# Altium PCB PMSM_Driver_V0.15.PcbDoc (continued)
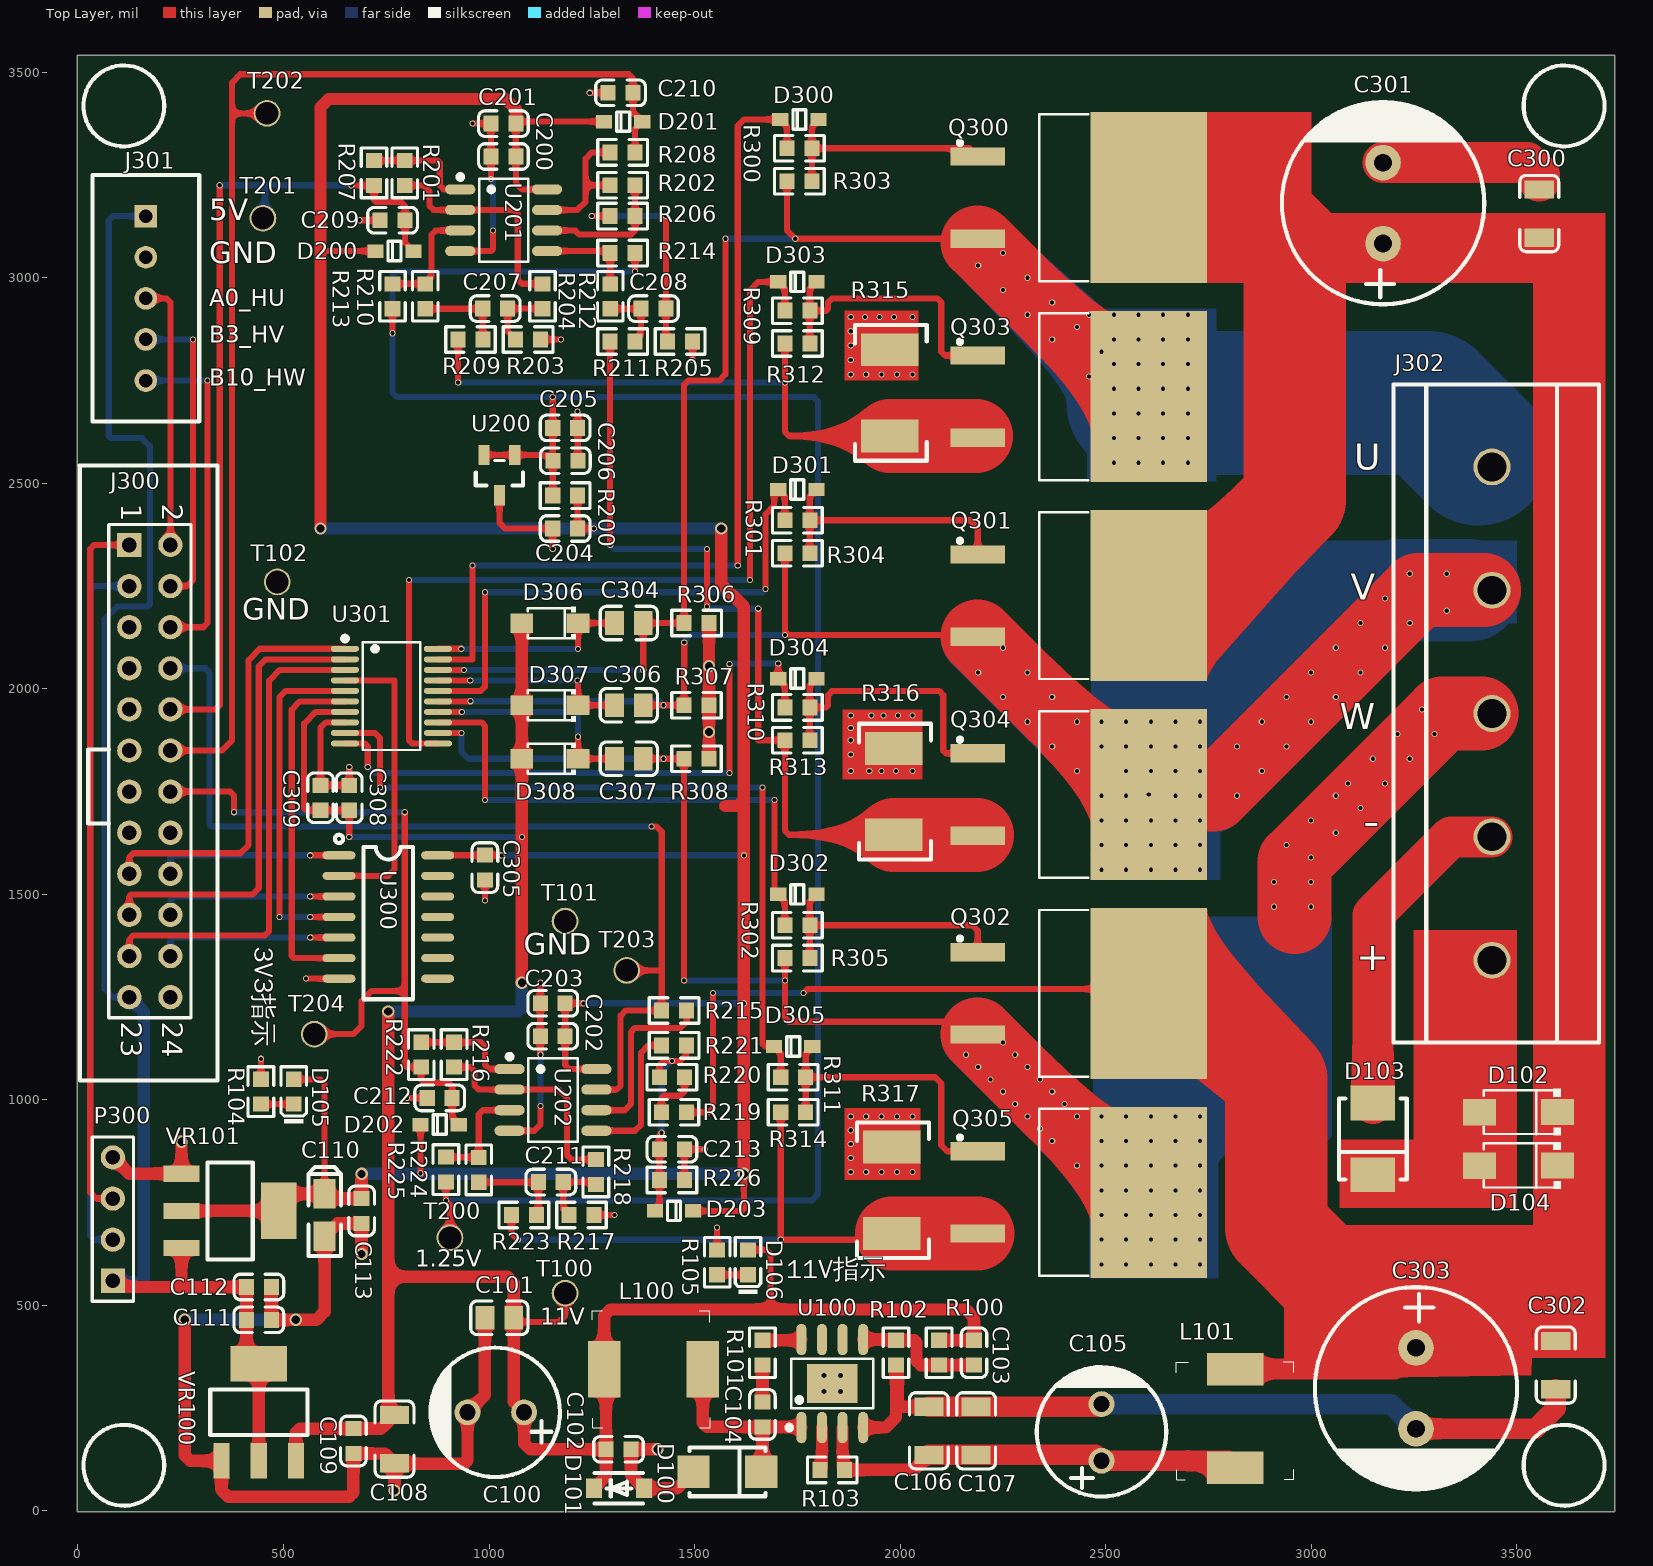
[diagram p0: Top Layer view]
## Footprints (in the part's own frame and the unit in brackets; to place one, negate y for a bottom-side part, rotate by r counter-clockwise, add the part's x,y. Pads: shape width x height; smd on the part's side, far side on the other; paste and mask are expansions set on the pad) (continued)
  silkscreen extent -10,-350 180,50
SS510 [mm]
  rect 2.046x1.62 smd: 1(0,0) 2(4.808,0.019)
  silkscreen extent -0.21,-1.43 4.57,1.45
Testpoint [mil]
  round 65 hole 55: 1(0,0)
TO-263-2 [mil]
  rect 132.23x44.65 smd: 1(-108.89,93) 3(-108.89,-107)
  rect 282.7x416 smd: 4(307.32,-7)
  silkscreen extent -157,-210 160,196
TP2412-SR [mm]
  oval 0.63x1.865 smd: 1(0,0) 2(1.27,0) 3(2.54,0) 4(3.81,0) 5(3.81,5.365) 6(2.54,5.365) 7(1.27,5.365) 8(0,5.365)
  silkscreen extent -0.92,-0.15 4.48,4.2
TSSOP20 [mil]
  oval 14.33x68.58 smd: 1(-67.36,-75.39) 2(-41.77,-75.39) 3(-16.18,-75.39) 4(9.41,-75.39) 5(35,-75.39) 6(60.59,-75.39) 7(86.18,-75.39) 8(111.77,-75.39) 9(137.36,-75.39) 10(162.95,-75.39) 11(162.95,150.67) 12(137.36,150.67) 13(111.77,150.67) 14(86.18,150.67) 15(60.59,150.67) 16(35,150.67) 17(9.41,150.67) 18(-16.18,150.67) 19(-41.77,150.67) 20(-67.36,150.67)
  silkscreen extent -98,-81 179,107

## Part data
C100 C105 C301 C303: library part CapSMT220u_16V
C101: library part "0805 22uF (226) 20% 25V", "贴片电容", Package=0805, SuppliersPartNumber=C45783, ComponentLink1Description=供应商链接, ComponentLink1URL=http://www.szlcsc.com/product/details_46786.html, Supplier=LC
C102 C104 C109 C111 C112 C113 C201 C202 C206 C305 C309: library part "0603 100nF (104) 10% 50V", "贴片电容", Package=0603, SuppliersPartNumber=C14663, ComponentLink1Description=供应商链接, ComponentLink1URL=http://www.szlcsc.com/product/details_15331.html, Supplier=LC
C103: library part "0603 47pF (470) 5% 50V", "贴片电容", Package=0603, SuppliersPartNumber=C1671, ComponentLink1Description=供应商链接, ComponentLink1URL=http://www.szlcsc.com/product/details_2023.html, Supplier=LC
C106 C300 C302: library part "1206 2.2uF (225) 10% 50V", "贴片电容", Package=1206, SuppliersPartNumber=C12656, ComponentLink1Description=供应商链接, ComponentLink1URL=http://www.szlcsc.com/product/details_13292.html, Supplier=LC
C107: library part "1206 100nF (104) 10% 50V", "贴片电容", Package=1206, SuppliersPartNumber=C24497, ComponentLink1Description=供应商链接, ComponentLink1URL=http://www.szlcsc.com/product/details_25237.html, Supplier=LC
C108: library part "1206 10uF (106) 10% 50V", "贴片电容", Package=1206, SuppliersPartNumber=C13585, ComponentLink1Description=供应商链接, ComponentLink1URL=http://www.szlcsc.com/product/details_14236.html, Supplier=LC
C110: library part "3216 10uF (106) 10% 16V", "钽电容", Package=3216, SuppliersPartNumber=C7171, ComponentLink1Description=供应商链接, ComponentLink1URL=http://www.szlcsc.com/product/details_7643.html, Supplier=LC
C200 C203 C204 C205: library part "0603 10uF (106) 10% 10V", "贴片电容", Package=0603, SuppliersPartNumber=C19702, ComponentLink1Description=供应商链接, ComponentLink1URL=http://www.szlcsc.com/product/details_20411.html, Supplier=LC
C207 C208 C211: library part "0603 100pF (101) 5% 50V", "贴片电容", Package=0603, SuppliersPartNumber=C14858, ComponentLink1Description=供应商链接, ComponentLink1URL=http://www.szlcsc.com/product/details_15530.html, Supplier=LC
C209 C210 C212: library part "0603 1nF (102) 10% 50V", "贴片电容", Package=0603, SuppliersPartNumber=C1588, ComponentLink1Description=供应商链接, ComponentLink1URL=http://www.szlcsc.com/product/details_1940.html, Supplier=LC
C213: library part "0603 2.2uF (225) 10% 16V", "贴片电容", Package=0603, SuppliersPartNumber=C23630, ComponentLink1Description=供应商链接, ComponentLink1URL=http://www.szlcsc.com/product/details_24366.html, Supplier=LC
C304 C306 C307: library part "0805 4.7uF (475) 10% 25V", "贴片电容", Package=0805, SuppliersPartNumber=C1779, ComponentLink1Description=供应商链接, ComponentLink1URL=http://www.szlcsc.com/product/details_2131.html, Supplier=LC
C308: library part "0603 4.7uF (475) 10% 16V", "贴片电容", Package=0603, SuppliersPartNumber=C19666, ComponentLink1Description=供应商链接, ComponentLink1URL=http://www.szlcsc.com/product/details_20375.html, Supplier=LC
D100 D306 D307 D308: library part "SMA(DO-214AC) SS54", "二极管", Package=SMA(DO-214AC), SuppliersPartNumber=C22452, ComponentLink1Description=供应商链接, ComponentLink1URL=http://www.szlcsc.com/product/details_23178.html, Supplier=LC
D103: library part "SMB/DO-214AA P6SMB6.8CA", "TVS", Package=SMB/DO-214AA, SuppliersPartNumber=C78395, ComponentLink1Description=供应商链接, ComponentLink1URL=http://www.szlcsc.com/product/details_79530.html, Supplier=LC
D105 D106: library part "0603 绿灯", "发光二极管", Package=0603, SuppliersPartNumber=C72043, ComponentLink1Description=供应商链接, ComponentLink1URL=http://www.szlcsc.com/product/details_73152.html, Supplier=LC
D200 D201 D202 D203 D300 D301 D302 D303 D304 D305: library part "SOD-323 1N4148WS T4", "二极管", Package=SOD-323, SuppliersPartNumber=C2128, ComponentLink1Description=供应商链接, ComponentLink1URL=http://www.szlcsc.com/product/details_2485.html, Supplier=LC
J300: "Header, 12-Pin, Dual row", LatestRevisionDate=17-Jul-2002, LatestRevisionNote="Re-released for DXP Platform.", Publisher="Altium Limited"
L100 L101: library part Inductor
P300: "Header, 4-Pin", LatestRevisionDate=17-Jul-2002, LatestRevisionNote="Re-released for DXP Platform.", Publisher="Altium Limited"
R100: library part "0603 330KΩ (3303) 1%", "贴片电阻", Package=0603, SuppliersPartNumber=C23137, ComponentLink1Description=供应商链接, ComponentLink1URL=http://www.szlcsc.com/product/details_23864.html, Supplier=LC
R101 R300 R301 R302 R309 R310 R311: library part "0603 22Ω (22R0) 1%", "贴片电阻", Package=0603, SuppliersPartNumber=C23345, ComponentLink1Description=供应商链接, ComponentLink1URL=http://www.szlcsc.com/product/details_24078.html, Supplier=LC
R102: library part "0603 15KΩ (1502) 1%", "贴片电阻", Package=0603, SuppliersPartNumber=C22809, ComponentLink1Description=供应商链接, ComponentLink1URL=http://www.szlcsc.com/product/details_23536.html, Supplier=LC
R103: library part "0603 100KΩ (1003) 1%", "贴片电阻", Package=0603, SuppliersPartNumber=C25803, ComponentLink1Description=供应商链接, ComponentLink1URL=http://www.szlcsc.com/product/details_26546.html, Supplier=LC
R104 R105: library part "0603 10KΩ (1002) 1%", "贴片电阻", Package=0603, SuppliersPartNumber=C25804, ComponentLink1Description=供应商链接, ComponentLink1URL=http://www.szlcsc.com/product/details_26547.html, Supplier=LC
R200: library part "0603 220Ω (2200) 1%", "贴片电阻", Package=0603, SuppliersPartNumber=C22962, ComponentLink1Description=供应商链接, ComponentLink1URL=http://www.szlcsc.com/product/details_23689.html, Supplier=LC
R201 R202 R213 R214 R216 R219 R220 R225: library part "0603 12KΩ (1202) 1%", "贴片电阻", Package=0603, SuppliersPartNumber=C22790, ComponentLink1Description=供应商链接, ComponentLink1URL=http://www.szlcsc.com/product/details_23517.html, Supplier=LC
R203 R204 R205 R206 R209 R210 R211 R212 R215 R217 R218 R221 R223 R224 R226: library part "0603 1KΩ (1001) 1%", "贴片电阻", Package=0603, SuppliersPartNumber=C21190, ComponentLink1Description=供应商链接, ComponentLink1URL=http://www.szlcsc.com/product/details_21904.html, Supplier=LC
R207 R208 R222: library part "0603 100Ω (1000) 1%", "贴片电阻", Package=0603, SuppliersPartNumber=C22775, ComponentLink1Description=供应商链接, ComponentLink1URL=http://www.szlcsc.com/product/details_23502.html, Supplier=LC
R303 R304 R305 R312 R313 R314: library part "0603 51KΩ (5102) 1%", "贴片电阻", Package=0603, SuppliersPartNumber=C23196, ComponentLink1Description=供应商链接, ComponentLink1URL=http://www.szlcsc.com/product/details_23923.html, Supplier=LC
R306 R307 R308: library part "0603 20KΩ (2002) 1%", "贴片电阻", Package=0603, SuppliersPartNumber=C4184, ComponentLink1Description=供应商链接, ComponentLink1URL=http://www.szlcsc.com/product/details_4591.html, Supplier=LC
R315 R316 R317: library part Res10K
T100 T101 T102 T200 T201 T202 T203 T204: library part TestPad
U200: library part "CJ431 0.5%431", "电压基准", Package=SOT-23, SuppliersPartNumber=C3113, ComponentLink1Description=供应商链接, ComponentLink1URL=http://www.szlcsc.com/product/details_3500.html, Supplier=LC
U201 U202: library part LM358DR2G, "通用运放", Package=SOIC-8, SuppliersPartNumber=C7950, ComponentLink1Description=供应商链接, ComponentLink1URL=http://www.szlcsc.com/product/details_8427.html, Supplier=LC
U300: library part 74HC14
VR100: library part "SOT-223 AMS1117-5.0", "低压差线性稳压(LDO)", Package=SOT-223, SuppliersPartNumber=C6187, ComponentLink1Description=供应商链接, ComponentLink1URL=http://www.szlcsc.com/product/details_6653.html, Supplier=LC
VR101: library part "SOT-223 AMS1117-3.3", "低压差线性稳压(LDO)", Package=SOT-223, SuppliersPartNumber=C6186, ComponentLink1Description=供应商链接, ComponentLink1URL=http://www.szlcsc.com/product/details_6652.html, Supplier=LC

## Via types
v1: diameter 15, hole 10, Top Layer to Bottom Layer, 297 vias
v2: diameter 30, hole 20, Top Layer to Bottom Layer, 14 vias
v3: diameter 24, hole 12, Top Layer to Bottom Layer, 4 vias

## Nets (pads, with @x,y where several pads share a name; then routed paths per layer and width w, separated by ;. In a path a pad name is that pad's centre, name@x,y a point inside that pad or via, vN(x,y) a via of type N, cw(c..) or ccw(c..) an arc to the next point about the centre after c; other vN are vias at no path point)
3V3DD: C110.1 C113.2 C200.2 C201.2 C202.2 C203.2 C204.2 C305.2 D105.A D200.2 D201.2 D202.2 D203.2 R200.1 U201.8 U202.8 U300.14 VR101.2 | length 8400.9
  Top Layer w15: D105.A@534.84,1050.32 535.16,1050 590,1050 600,1040 C110.1 ; 590,3070 595,3065 D200.2 ; D202.2 v1(833.54,821.46) v1@835,820 ; U300.14 989.68,1595 C305.2 1029.68,1595.32 v1(1030,1595) ; U201.8 1080,3215 1065.32,3229.69 C200.2 C201.2 1070.32,3380 D201.2 ; R200.1 C204.2 v1(1255,2390) ; v1(1230,1235) C203.2 C202.2 1185.32,1084.68 1195,1075 U202.8 ; D203.2 1615,730 1620,735 v2(1620,820)
  Top Layer w30: VR101.2@251.89,730 488.11,730 529.69,771.57 C110.1 611.26,760.32 C113.2 v2(690,820) ; v2(590,2390) 590,3070 590,3415 610,3435 1040.28,3435 1065.32,3409.96 C201.2 ; v2(1565,2390) 1565,2255 1620,2200 1620,1730 ; 1575,1715 1605,1715 1620,1730 ; v2(1620,820) v1(1620,1595) 1620,1730
  Bottom Layer w15: v1(1030,1595) v1(1620,1595) ; v1(1230,1235) v1(1620,1235)
  Bottom Layer w30: v2(590,2390) v1(1255,2390) v2(1565,2390) ; v2(690,820) v2(1620,820)
5VDD: C111.2 C112.2 J300.23 J301.1 P300.1 VR100.2 VR101.3 | length 3854.4
  Top Layer w30: P300.1 100,545 265,545 ; VR101.3 251.89,558.11 265,545 ; VR100.2@440,121.89 440,358.11 409.68,388.43 C111.2 C112.2 265,545
  Bottom Layer w15: J300.23 85,1250 65,1270 65,2170 95,2200 170,2200 175,2205 175,2590 155,2610 80,2610 75,2615 75,3140 85,3150 J301.1
  Bottom Layer w30: P300.1 90,555 150,555 160,565 160,1215 J300.23
11VDD: C100.1 C101.2 C102.2 C103.2 C108.2 C109.2 C308.2 C309.2 D101.1 D106.A D306.2 D307.2 D308.2 L100.2 R100.2 T100.1 U301.7 VR100.3 | length 6282
  Top Layer w15: U301.7 578.82,1943.82 550,1915 550,1710 555,1705 589.68,1705 C309.2 C308.2 v1(660,1640) ; C101.2 1070.04,460 1170,460 1185,475 T100.1 ; D106.A 1674.68,635.32 1685,625 1685,490
  Top Layer w30: VR100.3 530,122.44 530,190 540.32,200.32 C109.2 736.65,200.32 C108.2 755,248.66 755,570 ; v2(755,1215) 755,570 ; v2(1080,1285) D308.2 D307.2 D306.2 ; D101.1 1284.68,84.68 C102.2 ; R100.2 C103.2 2180,470 2160,490 1685,490 1295,490 1280,475 L100.2 1284.68,340.32 C102.2 ; 755,570 1045,570 1060.04,554.96 C101.2 1060.04,265.39 C100.1 1085.4,164.6 1100,150 C102.2
  Bottom Layer w15: v1(660,1640) v1(1080,1640)
  Bottom Layer w30: v2(755,1215) 1070,1215 1080,1225 v2(1080,1285)
75V-PVDC: D102.2 D103.2 D104.2 J302.5
DGND: C100.2 C101.1 C102.1 C105.2 C106.1 C107.1 C108.1 C109.1 C110.2 C111.1 C112.1 C113.1 C200.1 C201.1 C202.1 C203.1 C204.1 C205.1 C206.1 C209.1 C210.1 C212.1 C213.1 C300.2 C301.2 C302.2 C303.2 C305.1 C308.1 C309.1 D100.1 D101.2 D103.1 J300.7 J300.16 J301.2 J302.4 P300.4 R102.1 R104.1 R105.1 R203.1 R205.1 R217.1 R226.1 R306.1 R307.1 R308.1 R315.1 R316.1 R317.1 T101.1 T102.1 U100.4 U200.3 U201.4 U202.4 U300.7 U301.8 VR100.1 VR101.1 | length 8839
  Top Layer w15: R104.1 v1(445,1100) ; v1(555,1295) U300.7 ; U301.8 603.23,1918.23 590,1905 C309.1 C308.1 v1(660,1810) ; v1(685,3140) C209.1 ; v1(800,1005) C212.1 ; U201.4 1005,3065 1010,3070 v1(1010,3115) ; v1(960,3375) C201.1 C200.1 v1(1004.68,3240.31) v1@1005,3240 ; v1(990,1485) C305.1 ; U200.3 1025.31,2404.69 1040,2390 C204.1 v1(1155,2340) ; U202.4 1110,925 1125,940 v1(1125,985) ; v1(1125,1110) 1124.68,1110.32 C202.1 C203.1 1124.68,1284.68 v1(1125,1285) ; R203.1 v1(1175,2850) ; v1@1215,2675 v1(1215.63,2674.37) C205.1 1215.95,2634.68 C206.1 ; v1(1245,3450) C210.1 ; R217.1 v1(1305,720) ; R226.1 C213.1 v1(1525,880) ; v1@1495,2800 v1(1495.31,2800.31) R205.1 ; R105.1 v1(1555,690)
  Top Layer w30: P300.4 124.45,820.55 VR101.1 v2(251.89,898.11) v2@250,900 ; v2(260,465) 260,135 273.11,121.89 VR100.1 349.45,50.55 365,35 660,35 670,45 C109.1 746.65,139.68 C108.1 ; C112.1 C111.1 v2(530,465) 580,465 600,485 C110.2 631.26,699.68 C113.1 v2(690,625) ; v2(770,50) C108.1 ; C101.1 989.96,282.39 C100.2 947.6,122.6 940,115 771.34,115 C108.1 ; v2(1410,150) C102.1 1345.32,86.73 D101.2 1457.32,55 D100.1 ; R308.1 1535.31,1830.31 R306.1 ; U100.4 1965,202.89 1990,227.89 R102.1 1995,349.69 1995,265 2006.34,253.66 C106.1
  Top Layer w50: C106.1 C107.1 2483.66,253.66 C105.2 ; C303.2 3545,200 3595,250 C302.2
  Top Layer w100: D103.1 3150,1450 3340,1640 J302.4 ; C301.2 3525,3280 3555,3250 C300.2@3555,3235
  Bottom Layer w15: v1(1004.68,3240.31) 1010,3235 v1(1010,3115) ; v1(1125,985) v1(1125,1110)
  Bottom Layer w30: v2(260,465) v2(530,465)
  Bottom Layer w50: C105.2 3195,260 C303.2
  other v1: 1880,825 1917.5,825 1955,825 1992.5,825 2030,825 1880,858.75 1880,892.5 1880,926.25 1880,960 1917.5,960 1955,960 1992.5,960 2030,960 1880,1800 1925,1800 1955,1800 1990,1800 2030,1800 1880,1840 1880,1875 1880,1905 1880,1935 1930,1935 1960,1935 1995,1935 2030,1935 1880,2765 1917.5,2765 1955,2765 1992.5,2765 2030,2765 1880,2800 1880,2835 1880,2870 1880,2905 1915,2905 1950,2905 1985,2905 2030,2905
  other v2: 1535,1895 1535,2055
EG-VS1: C304.2 J302.1 Q300.3 Q303.4 R303.1 R306.2 U301.18 | length 4476
  Top Layer w15: U301.18 v1(938.82,2046.18) ; v1(1375,2046.18) C304.2 C304.2 R306.2 1474.68,2739.68 1485,2750 1560,2750 1575,2765 v1(1575,3095) ; R303.1 1724.69,3115.31 v1(1745,3095) Q300.3
  Top Layer w180: Q300.3@2188.8,3086.2 2564,2711 Q303.4
  Bottom Layer w15: v1(938.82,2046.18) v1(1375,2046.18) ; v1(1575,3095) v1(1745,3095)
  Bottom Layer w180: 2204.8,3070.2 2580,2695
  Bottom Layer w350: 2580,2695 3285,2695 3407.5,2572.5
  other v1: 2520,2550 2580,2550 2640,2550 2700,2550 2520,2610 2580,2610 2640,2610 2700,2610 2520,2670 2580,2670 2640,2670 2700,2670 2520,2730 2580,2730 2640,2730 2700,2730 2460,2760 2520,2790 2580,2790 2640,2790 2700,2790 2490,2820 2370,2850 2520,2850 2580,2850 2640,2850 2700,2850 2430,2880 2310,2910 2460,2910 2520,2910 2580,2910 2640,2910 2700,2910 2370,2940 2250,2970 2310,3000 2190,3030 2250,3060
EG-VS2: C306.2 J302.2 Q301.3 Q304.4 R304.1 R307.2 U301.15 | length 5060.6
  Top Layer w15: U301.15 954.41,1969.41 v1(955,1970) ; C306.2 v1(1424.7,1960) R307.2 1474.37,2044.37 1475,2045 v1(1475,2112.63) ; v1(1720,2130.8) 1720,2140 ; Q301.3 2185,2130.8 1729.2,2130.8 1720,2140 ; 1720,2140 1719.69,2140.31 R304.1 1720,2329.69 1720,2140
  Top Layer w180: Q301.3 2572.8,1743 v1(2605,1743) 2763,1743 3260,2240 J302.2@3420,2240
  Bottom Layer w15: v1(955,1970) 1414.7,1970 v1(1424.7,1960) ; v1(1475,2112.63) 1475,2115.8 1490,2130.8 v1(1720,2130.8)
  Bottom Layer w180: 2190.02,2122.98 2574.02,1738.98 2758.98,1738.98
  Bottom Layer w250: 2758.98,1788.98 3210,2240 3385,2240
  other v1: 2490,1560 2550,1560 2610,1560 2670,1560 2730,1560 2490,1620 2550,1620 2610,1620 2670,1620 2730,1620 2490,1680 2550,1680 2610,1680 2670,1680 2730,1680 2490,1740 2550,1740 2670,1740 2730,1740 2820,1740 2430,1800 2550,1800 2610,1800 2670,1800 2730,1800 2880,1800 2370,1860 2490,1860 2550,1860 2610,1860 2670,1860 2730,1860 2820,1860 2940,1860 2310,1920 2430,1920 2490,1920 2550,1920 2610,1920 2670,1920 2730,1920 2880,1920 3000,1920 2250,1980 2370,1980 2940,1980 3060,1980 2190,2040 2310,2040 3000,2040 3120,2040 2250,2100 3060,2100 3180,2100 3120,2160 3240,2160 3330,2190 3180,2220 3240,2280 3330,2280
EG-VS3: C307.2 J302.3 Q302.3 Q305.4 R305.1 R308.2 U301.12 | length 5544.4
  Top Layer w15: U301.12 v1(932.64,1892.64) ; C307.2 v1(1424.7,1830) R308.2 1474.37,1290.63 v1(1474.68,1290.32) v1@1475,1290 ; R305.1 1719.69,1200.31 1730,1190 2157.8,1190 Q302.3
  Top Layer w180: Q302.3 2572.8,775 Q305.4 ; 2960,1445 2960,1580 3320,1940 J302.3@3415,1940
  Bottom Layer w15: v1(932.64,1892.64) 932.64,1847.36 950,1830 v1(1424.7,1830) ; v1(1474.68,1290.32) v1(1719.68,1290.32) v1@1720,1290
  Bottom Layer w180: 2188.8,1159 2572.8,775 2960,1162.2 2960,1580 3320,1940 J302.3@3415,1940
  other v1: 2490,600 2550,600 2610,600 2670,600 2730,600 2490,660 2550,660 2610,660 2670,660 2730,660 2490,720 2550,720 2610,720 2670,720 2730,720 2490,780 2550,780 2610,780 2670,780 2730,780 2430,840 2490,840 2550,840 2610,840 2670,840 2730,840 2370,900 2490,900 2550,900 2610,900 2670,900 2730,900 2340,930 2310,960 2430,960 2490,960 2550,960 2610,960 2670,960 2730,960 2280,990 2400,990 2250,1020 2370,1020 2220,1050 2340,1050 2190,1080 2310,1080 2160,1110 2280,1110 2250,1140 2910,1470 3000,1470 2910,1530 3000,1530 3000,1590 2940,1620 3060,1650 3000,1680 3120,1710 3060,1740 3090,1770 3180,1770 3150,1830 3240,1830 3210,1890 3300,1890 3270,1950
HO1: D300.2 R300.1 U301.19 | length 2214
  Top Layer w15: U301.19 960,2071.77 v1(960,2300) ; v1(1605,2300) 1605,3370 1620,3385 D300.2 1724.69,3368.86 R300.1
  Bottom Layer w15: v1(960,2300) v1(1605,2300)
HO2: D301.2 R301.1 U301.16 | length 1371.8
  Top Layer w15: U301.16 980,1995 990,2005 v1(990,2235) ; v1(1672.68,2242.68) 1672.68,2425.34 1693.5,2446.16 1693.5,2476.16 1702.34,2485 D301.2 1719.69,2468.86 R301.1
  Bottom Layer w15: v1(990,2235) 1665,2235 v1(1672.68,2242.68)
HO3: D302.2 R302.1 U301.13 | length 1317.8
  Top Layer w15: U301.13 981.77,1918.23 990,1910 v1(990,1730) ; v1(1694.69,1730) 1694.69,1508.86 D302.2 1719.69,1483.86 R302.1
  Bottom Layer w15: v1(990,1730) v1(1694.69,1730)
LO1: D303.2 R309.1 U301.11 | length 2152.5
  Top Layer w15: v1(805,2265) 805,1875 812.95,1867.05 U301.11 ; v1(1635,2265) 1635,2970 1655,2990 D303.2 1719.69,2973.86 R309.1
  Bottom Layer w15: v1(805,2265) v1(1635,2265)
LO2: D304.2 R310.1 U301.10 | length 1491.8
  Top Layer w15: U301.10 697.95,1867.05 705,1860 v1(705,1810) ; v1(1585,1795) v1(1585,2060) ; v1(1703.54,2061.46) D304.2 1719.69,2008.86 R310.1
  Bottom Layer w15: v1(705,1810) 720,1795 v1(1585,1795) ; v1(1585,2060) 1586.46,2061.46 v1(1703.54,2061.46)
LO3: D305.2 R311.1 U301.9 | length 1876.9
  Top Layer w15: U301.9 722.36,1892.64 735,1880 v1(735,1760) ; v1(1665,1760) 1665,1136.77 1671.77,1130 D305.2 1709.69,1113.86 R311.1
  Bottom Layer w15: v1(735,1760) v1(1665,1760)
MOTOR_AMP-U: Q303.3 R209.1 R312.1 R315.2 | length 1589.9
  Top Layer w15: R209.1 924.69,2745.31 v1(925,2745) ; R312.1 1719.69,2625.31 1730,2615 R315.2 ; Q303.3@2184.8,2615 Q303.3
  Top Layer w180: R315.2 Q303.3@2184.8,2615
  Bottom Layer w15: v1(925,2745) v1(1720,2745)
MOTOR_AMP-V: Q304.3 R211.1 R313.1 R316.2 | length 2079.9
  Top Layer w15: R211.1 1294.69,2350.31 v1(1295,2350) ; v1(1530,2200) v1(1530,2340) ; v1(1655,2195) 1655,1875 R313.1 1719.69,1655.31 1730,1645 R316.2 ; Q304.3@2186.8,1645 Q304.3
  Top Layer w180: R316.2 Q304.3@2186.8,1645
  Bottom Layer w15: v1(1295,2350) 1305,2340 v1(1530,2340) ; v1(1530,2200) 1535,2195 v1(1655,2195)
MOTOR_AMP-W: Q305.3 R223.1 R314.1 R317.2 | length 1501.7
  Top Layer w15: R223.1 1054.69,675 v1(1069.69,660) ; R314.1 v1(1709.69,660.31) 1710,660 1965,660 R317.2
  Top Layer w180: R317.2 Q305.3
  Bottom Layer w15: v1(1069.69,660) v1@1710,660
NetC103_1: C103.1 R100.1 R102.2 U100.5 | length 322.2
  Top Layer w30: U100.5 1988.21,417.11 R102.2 2034.68,415.32 2040,410 2040,365 2050.31,354.69 R100.1 C103.1
NetC104_1: C104.1 D100.2 L100.1 U100.1 | length 485.7
  Top Layer w30: L100.1 1520,215 1530.32,204.68 C104.1 ; D100.2 1665,97.32 C104.1 ; U100.1 1758.21,204.68 C104.1
NetC104_2: C104.2 R101.1 | length 89.4
  Top Layer w30: C104.2 R101.1
NetC105_1: C105.1 C106.2 C107.2 L101.2 R103.2 U100.3 | length 1082.8
  Top Layer w30: U100.3 1860,105.32 R103.2 2033.66,100 C106.2
  Top Layer w50: C106.2 C107.2 2475.86,136.34 C105.1 2797.8,122.2 L101.2
NetC207_1: C207.1 R209.2 R210.2 | length 215.1
  Top Layer w15: R210.2 984.37,2924.68 C207.1 984.68,2850.63 R209.2
NetC207_2: C207.2 R203.2 R204.2 | length 167.8
  Top Layer w15: R203.2 1045.32,2869.37 C207.2 1129.68,2925 R204.2
NetC208_1: C208.1 R211.2 R212.2 | length 160.8
  Top Layer w15: R212.2 1369.37,2924.68 C208.1 1369.68,2859.37 R211.2
NetC208_2: C208.2 R205.2 R206.2 | length 531.6
  Top Layer w15: v1(1250,3150) R206.2 ; v1(1430,3150) 1430.32,3149.69 C208.2 1430.32,2849.37 R205.2
  Bottom Layer w15: v1(1250,3150) v1(1430,3150)
NetC211_1: C211.1 R223.2 R224.2 | length 227.1
  Top Layer w15: R224.2 1119.68,799.68 C211.1 1120,724.68 R223.2
NetC211_2: C211.2 R217.2 R218.2 | length 167.4
  Top Layer w15: R217.2 1180.63,734.05 C211.2 1254.68,800 R218.2
NetC213_2: C213.2 D203.1 R220.2 R221.2 R226.2 | length 510.6
  Top Layer w15: D203.1 1414.68,741.14 R226.2 C213.2 1414.68,914.68 v1(1420,920) ; R220.2 1414.68,1084.68 1425,1095 v1(1445,1095) 1465,1095 1480.63,1110.63 R221.2
  Bottom Layer w15: v1(1420,920) 1420,1070 v1(1445,1095)
NetD105_K: D105.K R104.2 | length 80
  Top Layer w15: R104.2 D105.K
NetD106_K: D106.K R105.2 | length 75
  Top Layer w15: R105.2 D106.K
NetD300_1: D300.1 Q300.1 R300.2 R303.2 | length 568.5
  Top Layer w15: R303.2 R300.2 ; D300.1 1785.32,3368.86 R300.2 ; Q300.1 2168.8,3315 R300.2
NetD301_1: D301.1 Q301.1 R301.2 R304.2 | length 642.2
  Top Layer w15: R304.2 R301.2 ; D301.1 1780.32,2468.86 R301.2 ; Q301.1 2188.8,2391.2 2170,2410 R301.2
NetD302_1: D302.1 Q302.1 R302.2 R305.2 | length 628.1
  Top Layer w15: R305.2 R302.2 ; D302.1 1780.32,1483.86 R302.2 ; Q302.1 2188.8,1411.2 2175,1425 R302.2
NetD303_1: D303.1 Q303.1 R309.2 R312.2 | length 714.3
  Top Layer w15: R312.2 R309.2 ; D303.1 1780.32,2973.86 R309.2 ; Q303.1 2109,2811 2100,2820 2100,2940 2090,2950 1835,2950 1825,2940 1825,2925 1820,2920 R309.2
NetD304_1: D304.1 Q304.1 R310.2 R313.2 | length 738.4
  Top Layer w15: R313.2 R310.2 ; D304.1 1780.32,2008.86 R310.2 ; Q304.1 2112,1843 2105,1850 2105,1985 2095,1995 1835,1995 1825,1985 1825,1960 1820,1955 R310.2
NetD305_1: D305.1 Q305.1 R311.2 R314.2 | length 747.6
  Top Layer w15: R314.2 R311.2 ; D305.1 1770.32,1113.86 R311.2 ; Q305.1 2115,875 2100,890 2100,1040 2085,1055 R311.2
NetR101_2: R101.2 U100.8 | length 95.7
  Top Layer w30: R101.2 1758.21,415.32 U100.8
NetR103_1: R103.1 U100.2 | length 105.1
  Top Layer w30: R103.1 1810,105.31 U100.2
NetR201_1: R201.1 R207.1 U201.1 | length 271.3
  Top Layer w15: R207.1 R201.1 874.69,3285.31 880,3280 880,3225 890,3215 U201.1
NetR201_2: R201.2 R204.1 U201.2 | length 548.6
  Top Layer w15: R201.2 840.32,3224.68 855,3210 855,3175 865,3165 U201.2 1060,3165 1070,3155 1070,2995 1080,2985 1080.31,2985.31 R204.1
NetR202_1: R202.1 R208.1 U201.7 | length 332.6
  Top Layer w15: U201.7 1215,3165 1235,3185 1235,3225 ; R202.1 1235,3225 ; R208.1 1250,3305 1235,3290 1235,3225
NetR202_2: R202.2 R206.1 U201.6 | length 332.2
  Top Layer w15: U201.6 1210,3115 1220,3105 1345,3105 1355.31,3115.31 R206.1 R202.2
NetR210_1: R210.1 R213.2 U201.3 | length 280
  Top Layer w15: R213.2 R210.1 860,3000.31 860,3105 870,3115 U201.3
NetR212_1: R212.1 R214.2 U201.5 | length 230.4
  Top Layer w15: U201.5 1289.68,3065 R214.2 1295,3059.68 R212.1
NetR215_1: R215.1 U202.6 | length 438.3
  Top Layer w15: U202.6 1330,975 1345,990 1345,1165 1355,1175 1465,1175 1480.63,1190.63 R215.1
NetR216_1: R216.1 R222.1 U202.1 | length 268.4
  Top Layer w15: R222.1 R216.1 979.69,1140.31 990,1130 990,1085 1000,1075 U202.1
NetR216_2: R216.2 R218.1 U202.2 | length 540.4
  Top Layer w15: R216.2 955.32,1079.68 965,1070 965,1035 975,1025 U202.2 1170,1025 1190,1005 1190,865 1199.69,855.31 R218.1
NetR219_2: R219.2 R220.1 | length 131.5
  Top Layer w15: R219.2 1419.68,1004.68 1425,1010 1465,1010 1475.31,1020.31 R220.1
NetR221_1: R221.1 U202.5 | length 347.5
  Top Layer w15: U202.5 1355,925 1370,940 1370,1115.31 1387.34,1132.66 R221.1
NetR224_1: R224.1 R225.2 U202.3 | length 264
  Top Layer w15: R225.2 974.68,860.63 R224.1 975,965 985,975 U202.3
PA0_TIM2_CH1_HU: J300.2 J301.3 | length 654.1
  Top Layer w15: J301.3 215,2950 225,2940 J300.2
PA1_ADC1_IN1_BUS_VOLTAGE: J300.8 R215.2 T203.1 U202.7 | length 2436.5
  Top Layer w15: U202.7 1310,1025 1320,1035 1320,1205 1332.66,1217.66 R215.2 1420,1320 ; T203.1 1415,1315 1420,1320 ; v1(1395,1665) 1407.5,1665 1420,1652.5 1420,1320
  Bottom Layer w15: J300.8 310,2050 320,2040 320,1670 325,1665 v1(1395,1665)
PA5_ADC1_IN5_TEMPERATURE: J300.15
PA7_TIM1_CH1N_UL: J300.18 U300.1 | length 452.1
  Top Layer w15: v1(565,1595) U300.1
  Bottom Layer w15: J300.18 225,1590 230,1595 v1(565,1595)
PA7_TIM1_CH1N_UL-F: U300.2 U301.4 | length 722.2
  Top Layer w15: U300.2 755,1545 770,1560 770,2020.59 U301.4
PA8_TIM1_CH1_UH: J300.17 U301.1 | length 1038.4
  Top Layer w15: J300.17 125,1590 135,1600 395,1600 415,1620 415,2070 442.36,2097.36 U301.1
PA9_TIM1_CH2_VH: J300.19 U301.2 | length 1124.8
  Top Layer w15: J300.19 125,1495 130,1500 425,1500 440,1515 440,2055 456.77,2071.77 U301.2
PA10_TIM1_CH3_WH: J300.21 U301.3 | length 1193.7
  Top Layer w15: J300.21 125,1390 135,1400 455,1400 465,1410 465,2020 491.18,2046.18 U301.3
PB0_TIM1_CH2N_VL: J300.20 U300.3 | length 449.1
  Top Layer w15: v1(565,1495) U300.3
  Bottom Layer w15: J300.20 225,1485 235,1495 v1(565,1495)
PB0_TIM1_CH2N_VL-F: U300.4 U301.5 | length 845.8
  Top Layer w15: v1(490,1445) 490,1980 505,1995 U301.5 ; v1(565,1445) U300.4
  Bottom Layer w15: v1(490,1445) v1(565,1445)
PB1_TIM1_CH3N_WL: J300.22 U300.5 | length 452.1
  Top Layer w15: v1(565,1395) U300.5
  Bottom Layer w15: J300.22 225,1390 230,1395 v1(565,1395)
PB1_TIM1_CH3N_WL-F: U300.6 U301.6 | length 854.4
  Top Layer w15: U300.6 525,1345 520,1350 520,1949.41 540,1969.41 U301.6
PB3_TIM2_CH2_HV: J300.4 J301.4 | length 761.2
  Top Layer w15: J300.4 265,2250 280,2265 v1(280,2850)
  Bottom Layer w15: J301.4 v1(280,2850)
PB10_TIM2_CH3_HW: J300.6 J301.5 | length 834.1
  Top Layer w15: J300.6 305,2150 315,2160 v1(315,2750)
  Bottom Layer w15: J301.5 v1(315,2750)
PC0_ADC1_IN10_CURR_U: C209.2 D200.1 J300.10 R207.2 T201.1 | length 2081.1
  Top Layer w15: J300.10 335,1950 345,1960 v1(345,3225) ; v1(665,3225) 665.32,3224.68 R207.2 720,3190 725,3185 785,3185 795.63,3174.37 C209.2 795.63,3085.83 D200.1
  Bottom Layer w15: v1(345,3225) 455,3225 ; T201.1 455,3150 455,3225 ; v1(665,3225) 455,3225
PC2_ADC1_IN12_CURR_V: C210.2 D201.1 J300.12 R208.2 T202.1 | length 3029.6
  Top Layer w15: J300.12 350,1850 375,1875 375,3400 ; T202.1 375,3400 ; R208.2 1355.32,3362.4 D201.1 1350.32,3402.6 C210.2 1350.32,3484.69 1340,3495 395,3495 375,3475 375,3400
PC3_ADC1_IN13_CURR_W: C212.2 D202.1 J300.14 R222.2 T204.1 | length 1782
  Top Layer w15: J300.14 370,1750 380,1740 v1(380,1700) ; T204.1 670,1160 690,1180 690,1240 715,1265 795,1265 ; v1(795,1700) 795,1265 ; D202.1 910.32,956.14 C212.2 910.32,1033.56 902.09,1041.79 843.21,1041.79 835,1050 R222.2 834.68,1080 800,1080 795,1085 795,1265
  Bottom Layer w15: v1(380,1700) v1(795,1700)
PC6_UART6_TX: J300.1 P300.3 | length 1725.4
  Top Layer w15: P300.3 45,760 30,775 30,2340 40,2350 J300.1
PC7_UART6_RX: J300.3 P300.2 | length 1728.3
  Bottom Layer w15: P300.2 40,660 30,670 30,2240 40,2250 J300.3
POWER: C300.1 C301.1 C302.1 C303.1 D102.1 D104.1 L101.1 Q300.4 Q301.4 Q302.4 R219.1 | length 4411.7
  Top Layer w15: R219.1 1535,970 1545,980 v1(1545,1260) ; v1(1765,1260) 1775,1270 2594,1270 Q302.4
  Top Layer w50: L101.1 3203.15,345 C303.1 3578.19,396.85 C302.1
  Top Layer w250: Q302.4 2706,1259 2915,1050 2915,690 3055,550 ; Q301.4 2727,2227 2960,2460 2960,3070 2840,3190
  Bottom Layer w15: v1(1545,1260) v1(1765,1260)
SD_IN: J300.24
VB-EG2133-U: C304.1 D306.1 U301.20 | length 493
  Top Layer w15: U301.20 v1(932.36,2097.36) ; v1(1216.61,2096.61) D306.1 C304.1
  Bottom Layer w15: v1(932.36,2097.36) 933.12,2096.61 v1(1216.61,2096.61)
VB-EG2133-V: C306.1 D307.1 U301.17 | length 493.3
  Top Layer w15: U301.17 v1(954.41,2020.59) ; v1(1215,2020) 1216.61,2018.39 D307.1 C306.1
  Bottom Layer w15: v1(954.41,2020.59) v1@1220,2020.59
VB-EG2133-W: C307.1 D308.1 U301.14 | length 537
  Top Layer w15: U301.14 v1(933.82,1943.82) ; v1(1216.61,1883.39) D308.1 C307.1
  Bottom Layer w15: v1(933.82,1943.82) 1206.18,1943.82 1216.61,1933.39 v1(1216.61,1883.39)
VCC1.25REF: C205.2 C206.2 R200.2 R213.1 R214.1 R225.1 T200.1 U200.1 U200.2 | length 5417.5
  Top Layer w15: v1(765,2865) R213.1 ; R225.1 v1(895,755) 905,745 T200.1 ; U200.2 U200.1 1149.21,2569.21 1155,2575 ; R200.2 1155,2575 ; v1(1155,2710) C205.2 1155,2575 ; v1@1355,3015 v1(1355.31,3015.31) R214.1
  Bottom Layer w15: v1(895,755) 1785,755 1800,770 1800,2700 1790,2710 v1(1155,2710) 775,2710 765,2720 v1(765,2865) 765,3005 775.31,3015.31 v1(1355.31,3015.31)
pads on no net: J300.5 J300.9 J300.11 J300.13 U100.6 U100.7 U100.9 U300.8 U300.9 U300.10 U300.11 U300.12 U300.13
copper on no net:
  other v3: 1815.32,290.31 1854.69,290.31 1815.32,329.68 1854.69,329.68

## Polygon pours and split planes (outlines as drawn)
DGND on Bottom Layer "DGND_L02_P000" (solid, remove dead copper, pour order 0): 224.49,3473.89 219.34,3314.34 215,3310 50,3310 50,235 65,220 215,220 215,55 220,50 3455,50 3495,90 3495,210 3670,210 3685,225 3685,3310 3665,3330 3415,3330 3415,3465 3405,3475 224.53,3475 223.14,3473.62

## Other copper
Top Layer:
  rectangle net DGND: 1865,805 2050,980
  rectangle net DGND: 1860,1780 2055,1950
  rectangle net DGND: 1865,2750 2045,2920
  region net POWER: 3535.07,330.17 2935,320 2935,695 3545.07,695
  region net POWER: 3540,372.5 3540,2987.5 2475,2987.5 2475,3402.5 3000,3402.5 3000,3187.5 3030,3157.5 3715,3157.5 3715,372.5
  region net 75V-PVDC: 3250,1412.5 3250,902.5 3070,902.5 3070,737.5 3500,737.5 3500,1412.5
Bottom Layer:
  rectangle net EG-VS1: 2455,2505 2770,2925
  rectangle net EG-VS3: 2460,565 2775,985
  rectangle net EG-VS2: 2465,1535 2780,1955
  region net EG-VS3: 2460,1445 2470,1435 2470,890 3030,890 3050,910 3050,1445
  region net EG-VS2: 2465,2360 2465,1850 2990,1850 3317.5,2177.5 3335,2160 3500,2160 3500,2360

## Silkscreen, mask and mechanical layers (free items; w line width, h text height)
Top Overlay:
  circle w10: c111.46,3418.19 r98.43
  circle w10: c111.46,111.1 r98.43
  circle w10: c3615.39,111.1 r98.43
  circle w10: c3615.39,3418.19 r98.43
  lines w10: 3.58,2543.42 339.65,2543.42 339.65,1795.39 339.65,1047.35 4.79,1047.35 4.79,2543.42 ; 75,1672 25,1672 25,1852 75,1852
  text "5V" at 319.5,3121.43 h90
  text "GND" at 319.5,3017.36 h90
  text "A0_HU" at 319.5,2917.44 h70
  text "B3_HV" at 319.5,2828.52 h70
  text "B10_HW" at 319.5,2723.52 h70
  text "U" at 3105.32,2511.22 h110
  text "V" at 3096.26,2195 h110
  text "GND" at 399.18,2150.16 h90
  text "W" at 3070,1880 h110
  text "-" at 3126.62,1613.04 h140
  text "3V3指示" at 413.98,1372.49 h80 r270
  text "GND" at 1084.18,1335.16 h90
  text "+" at 3110.04,1292.56 h120
  text "1.25V" at 820.93,580.32 h70
  text "11V指示" at 1723.24,550.06 h80
  text "11V" at 1125,440 h70
Bottom Overlay:
  text "永磁同步电机驱动板" at 1860,1611.33 h120
  text "20230106 V0.15" at 1785.11,1476.33 h120
Mechanical 1:
  circle w10: c111.46,3418.19 r62.99
  circle w10: c111.46,111.1 r62.99
  circle w10: c3615.39,111.1 r62.99
  circle w10: c3615.39,3418.19 r62.99
  lines w10: -1.65,-2.01 3738.5,-2.01 3738.5,3541.3 -1.65,3541.3 -1.65,-2.01

## Text inside footprints (layer, text, board x,y; h text height)
J300: Top Overlay "1" at 105,2450 h50 r270; Top Overlay "2" at 205,2450 h50 r270; Top Overlay "23" at 105,1190 h50 r270; Top Overlay "24" at 205,1190 h50 r270